# Altium PCB Gebru.PcbDoc (part 1 of 3) (continued)
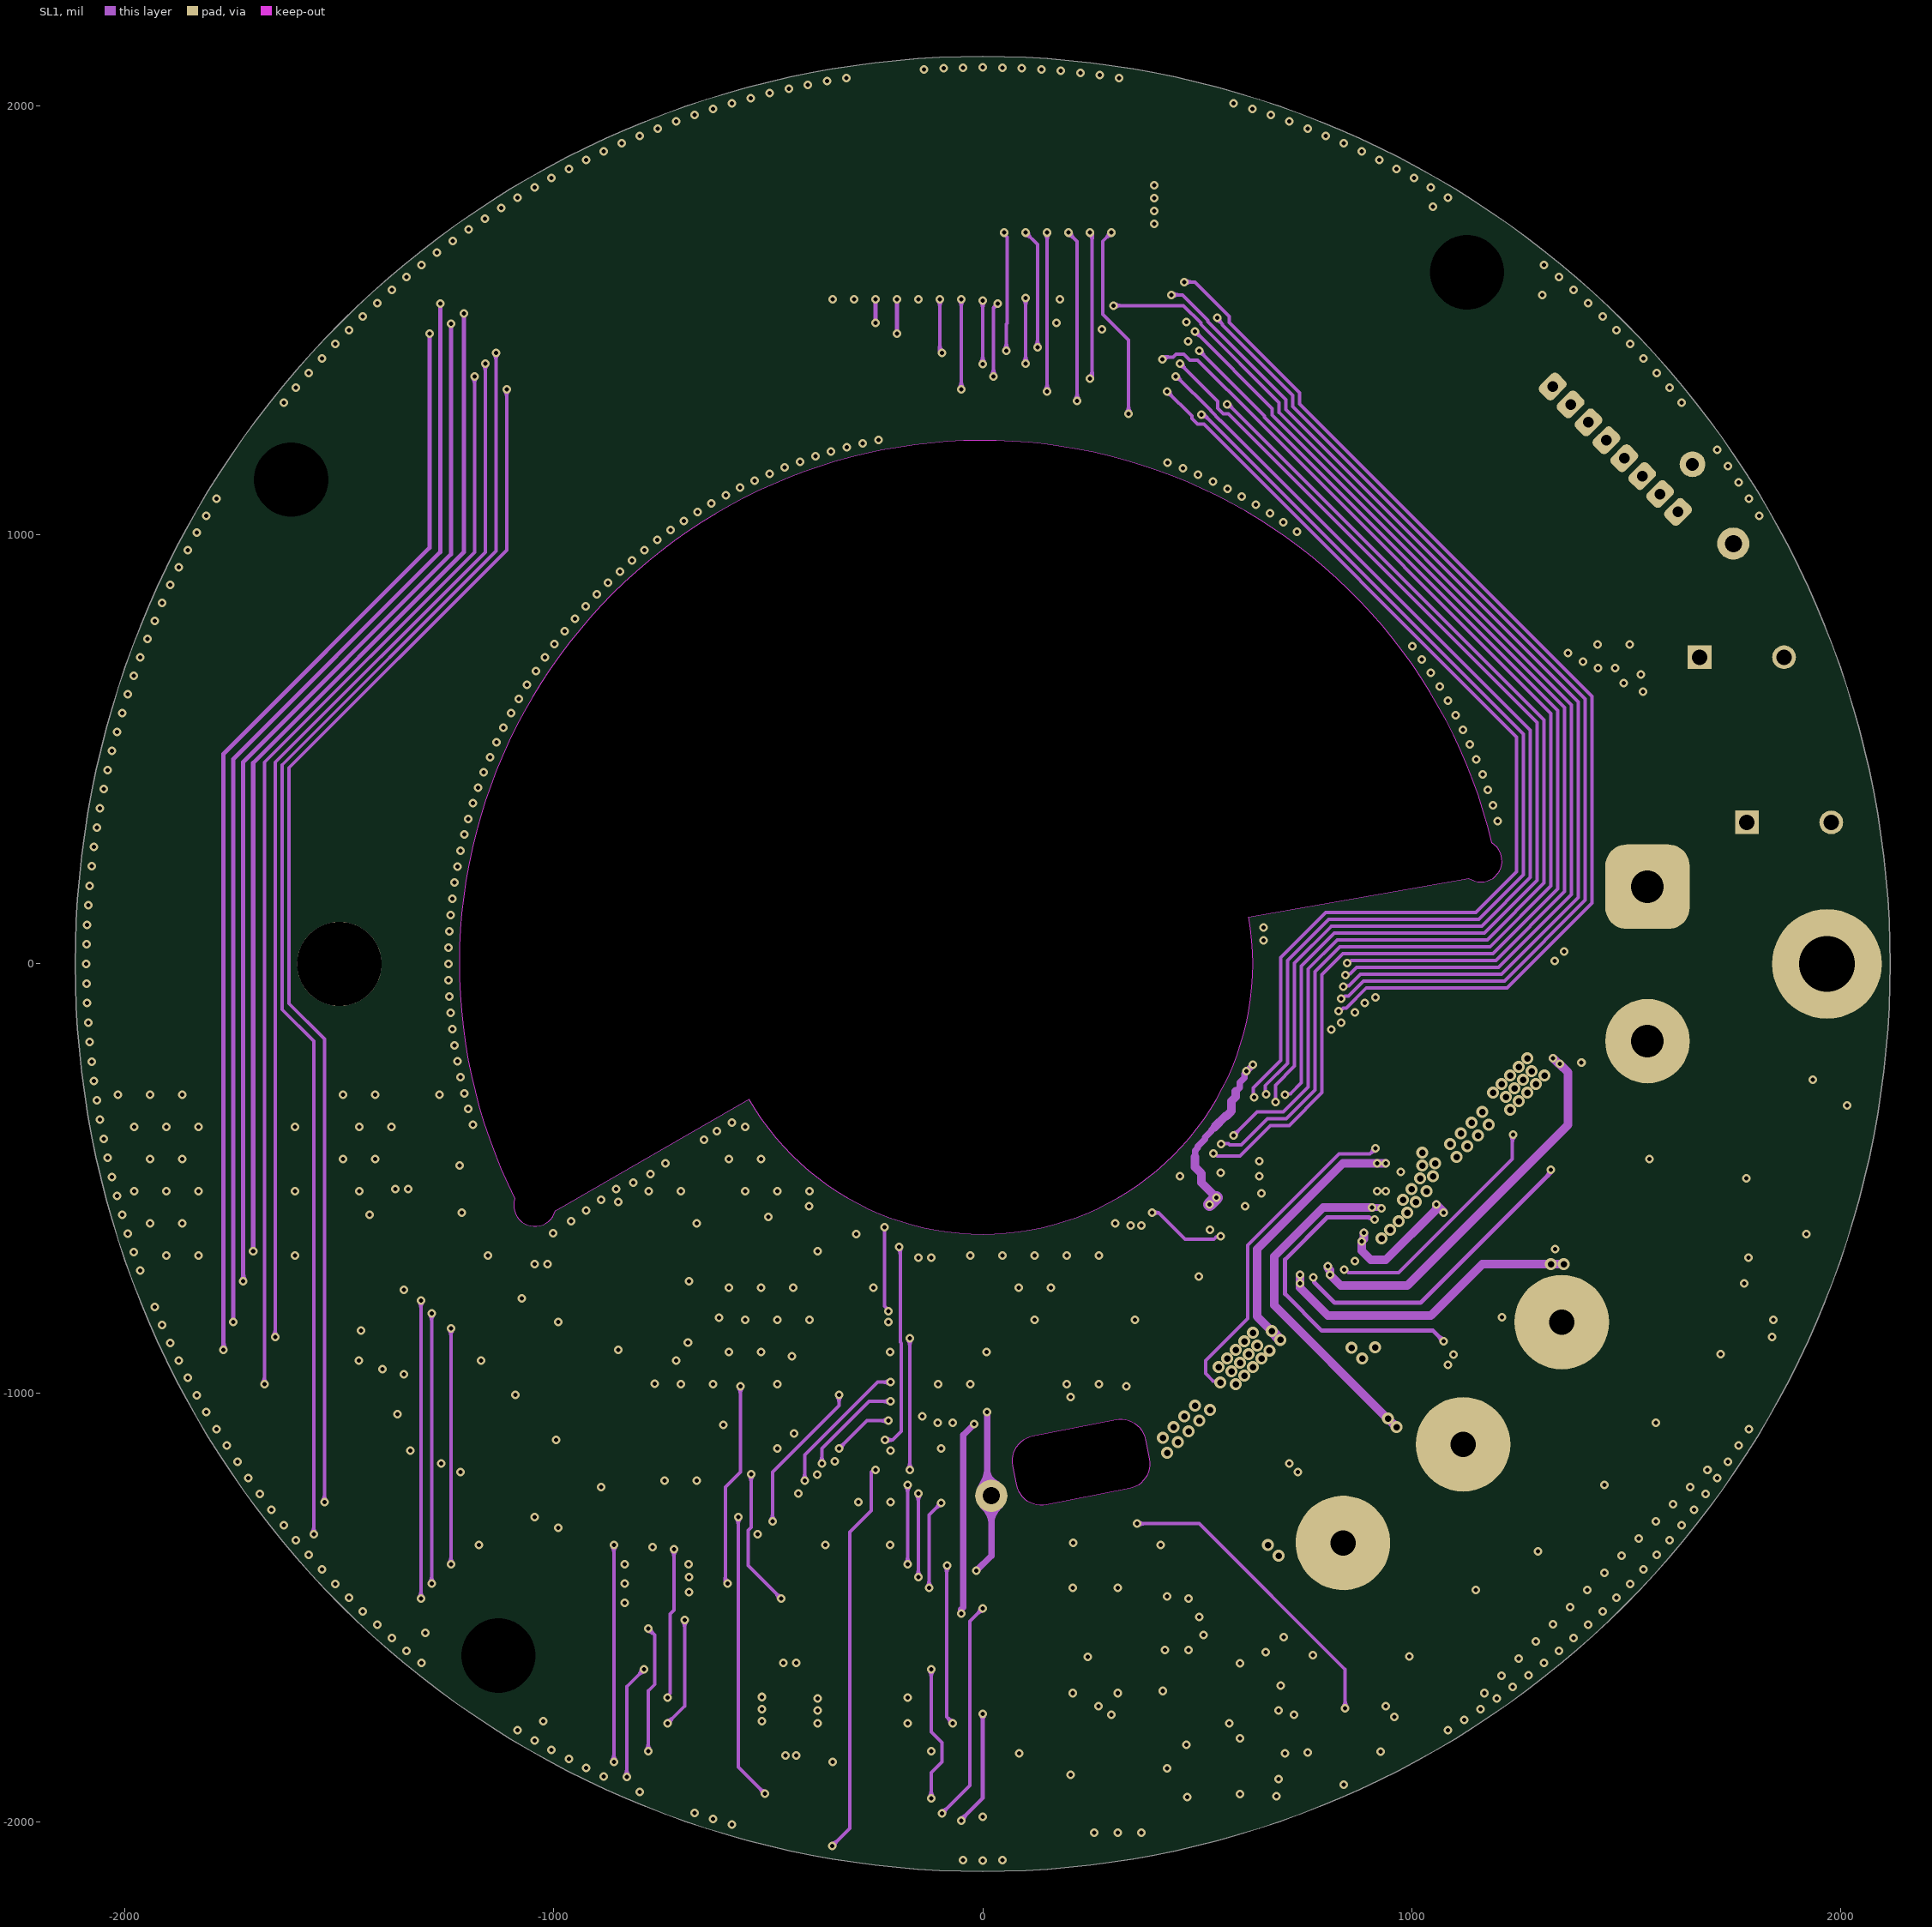
[diagram p3: SL1]
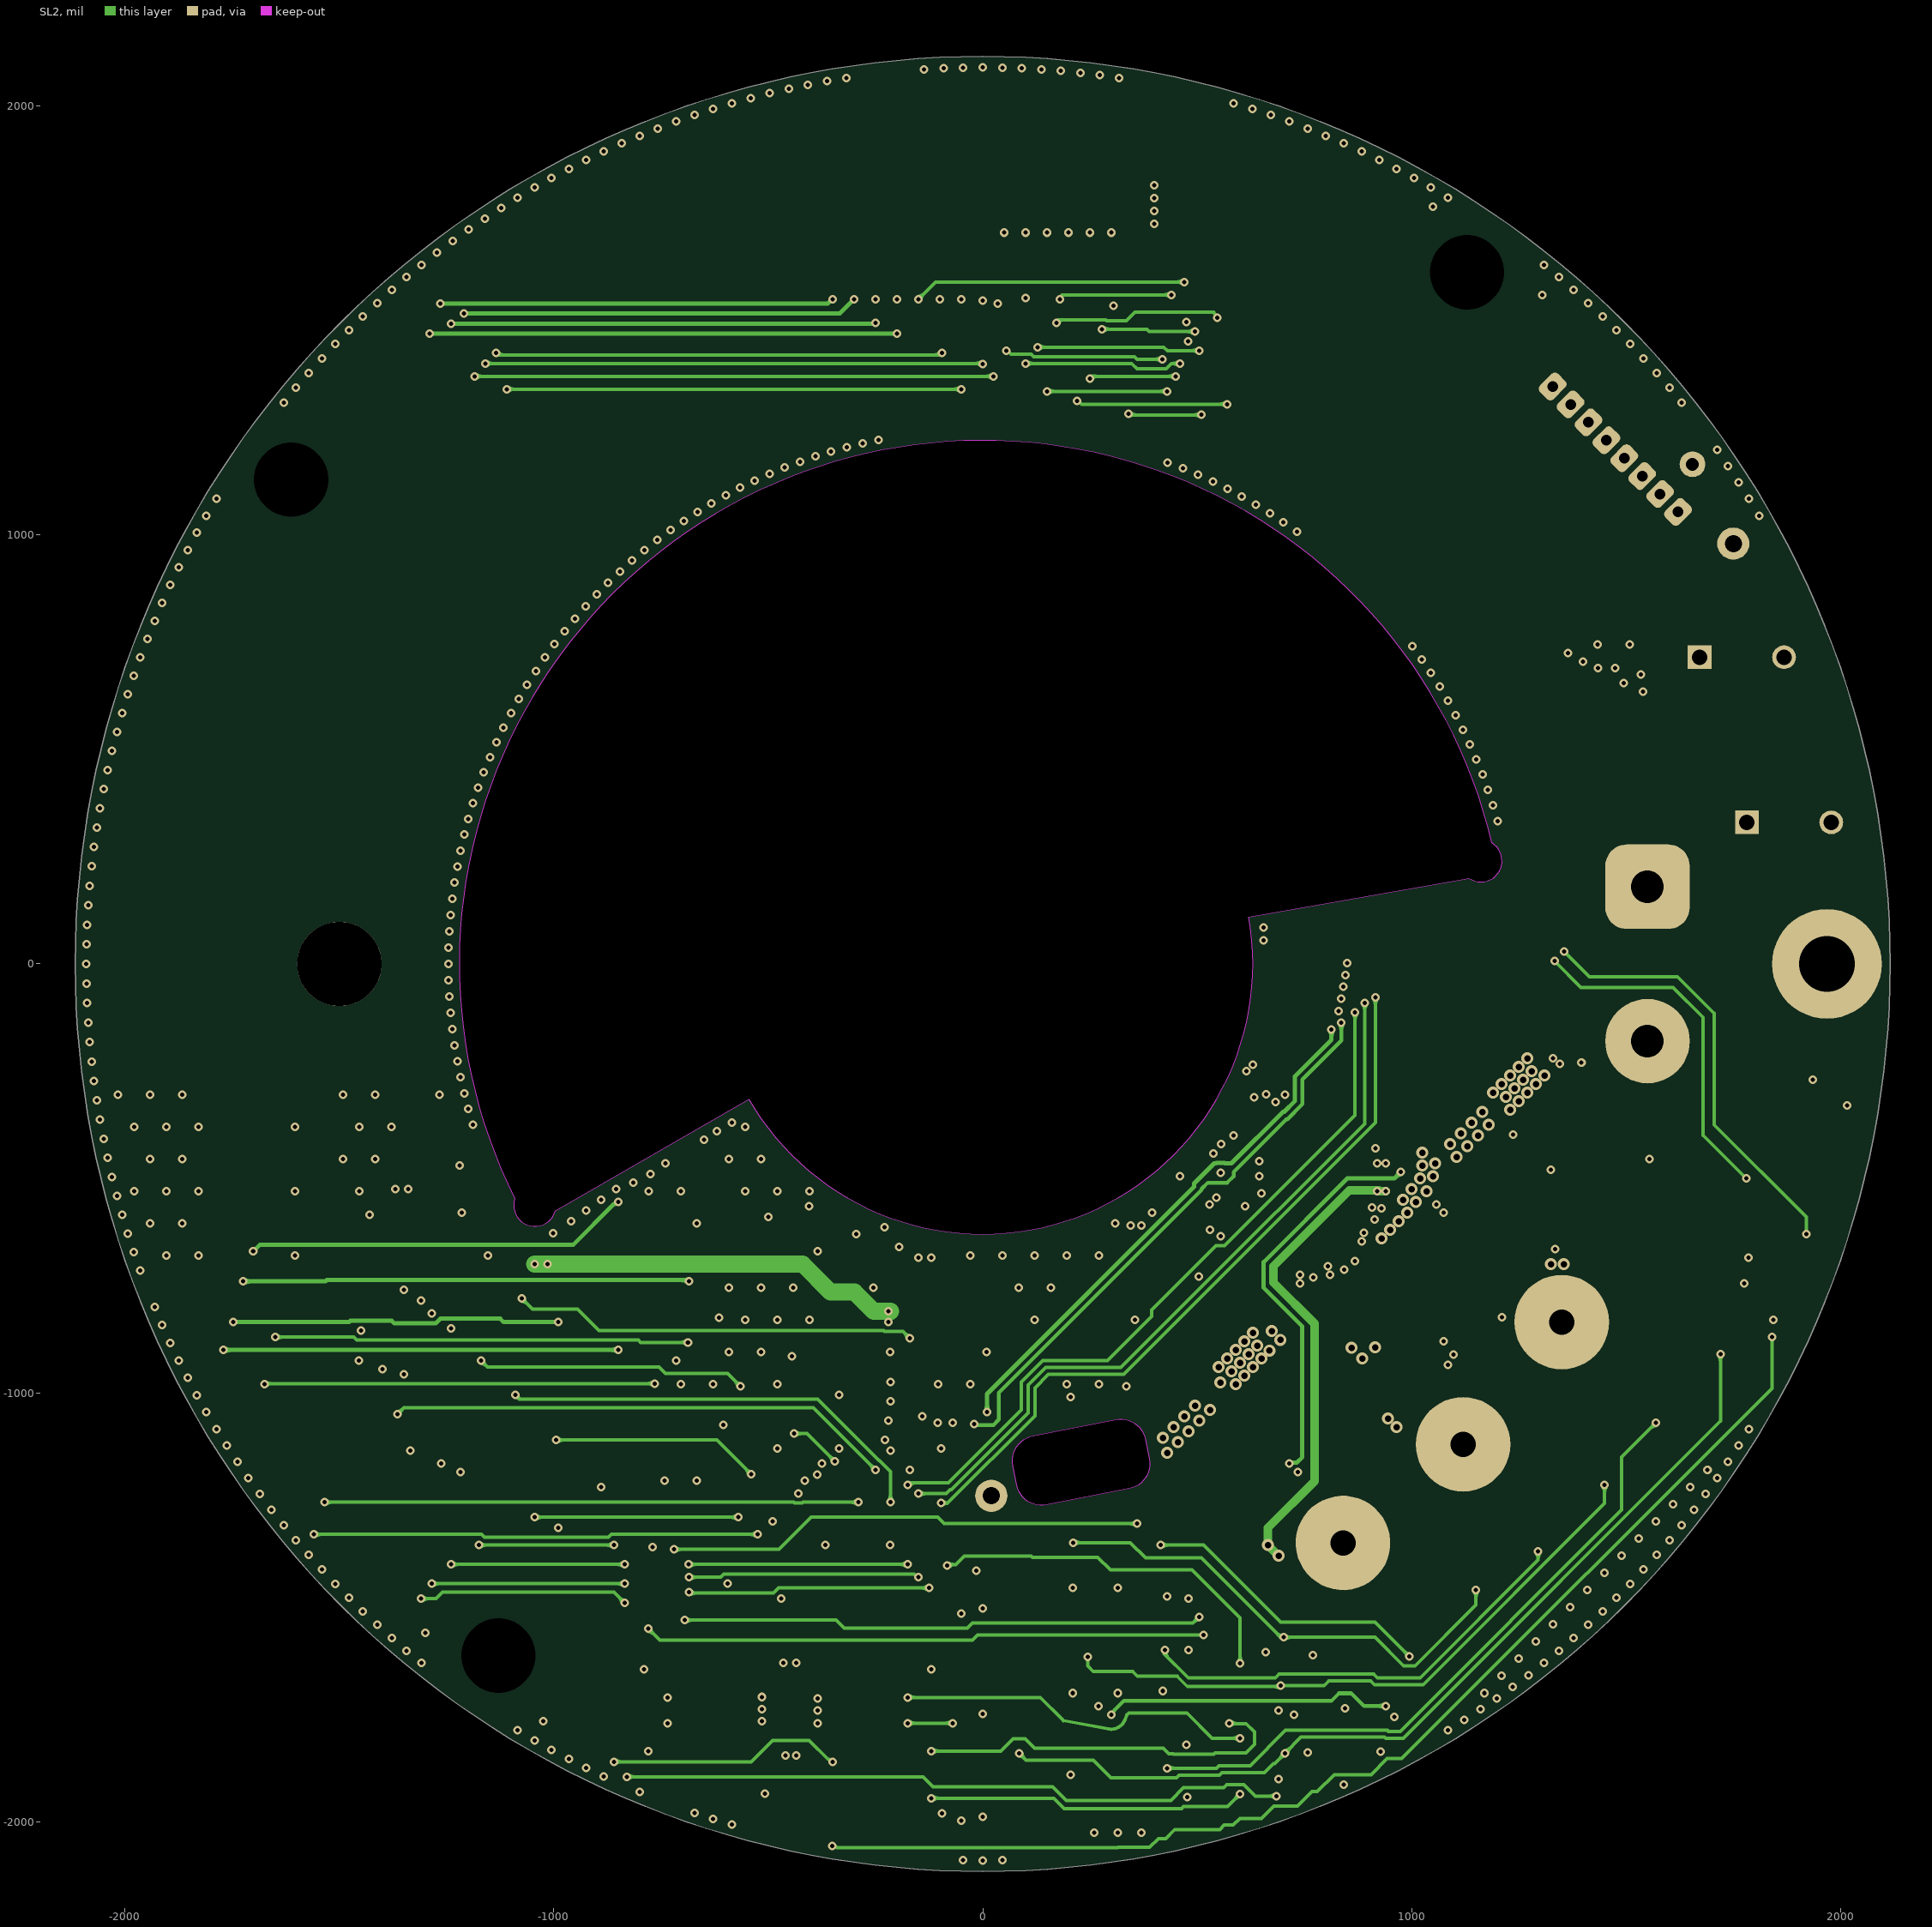
[diagram p4: SL2]
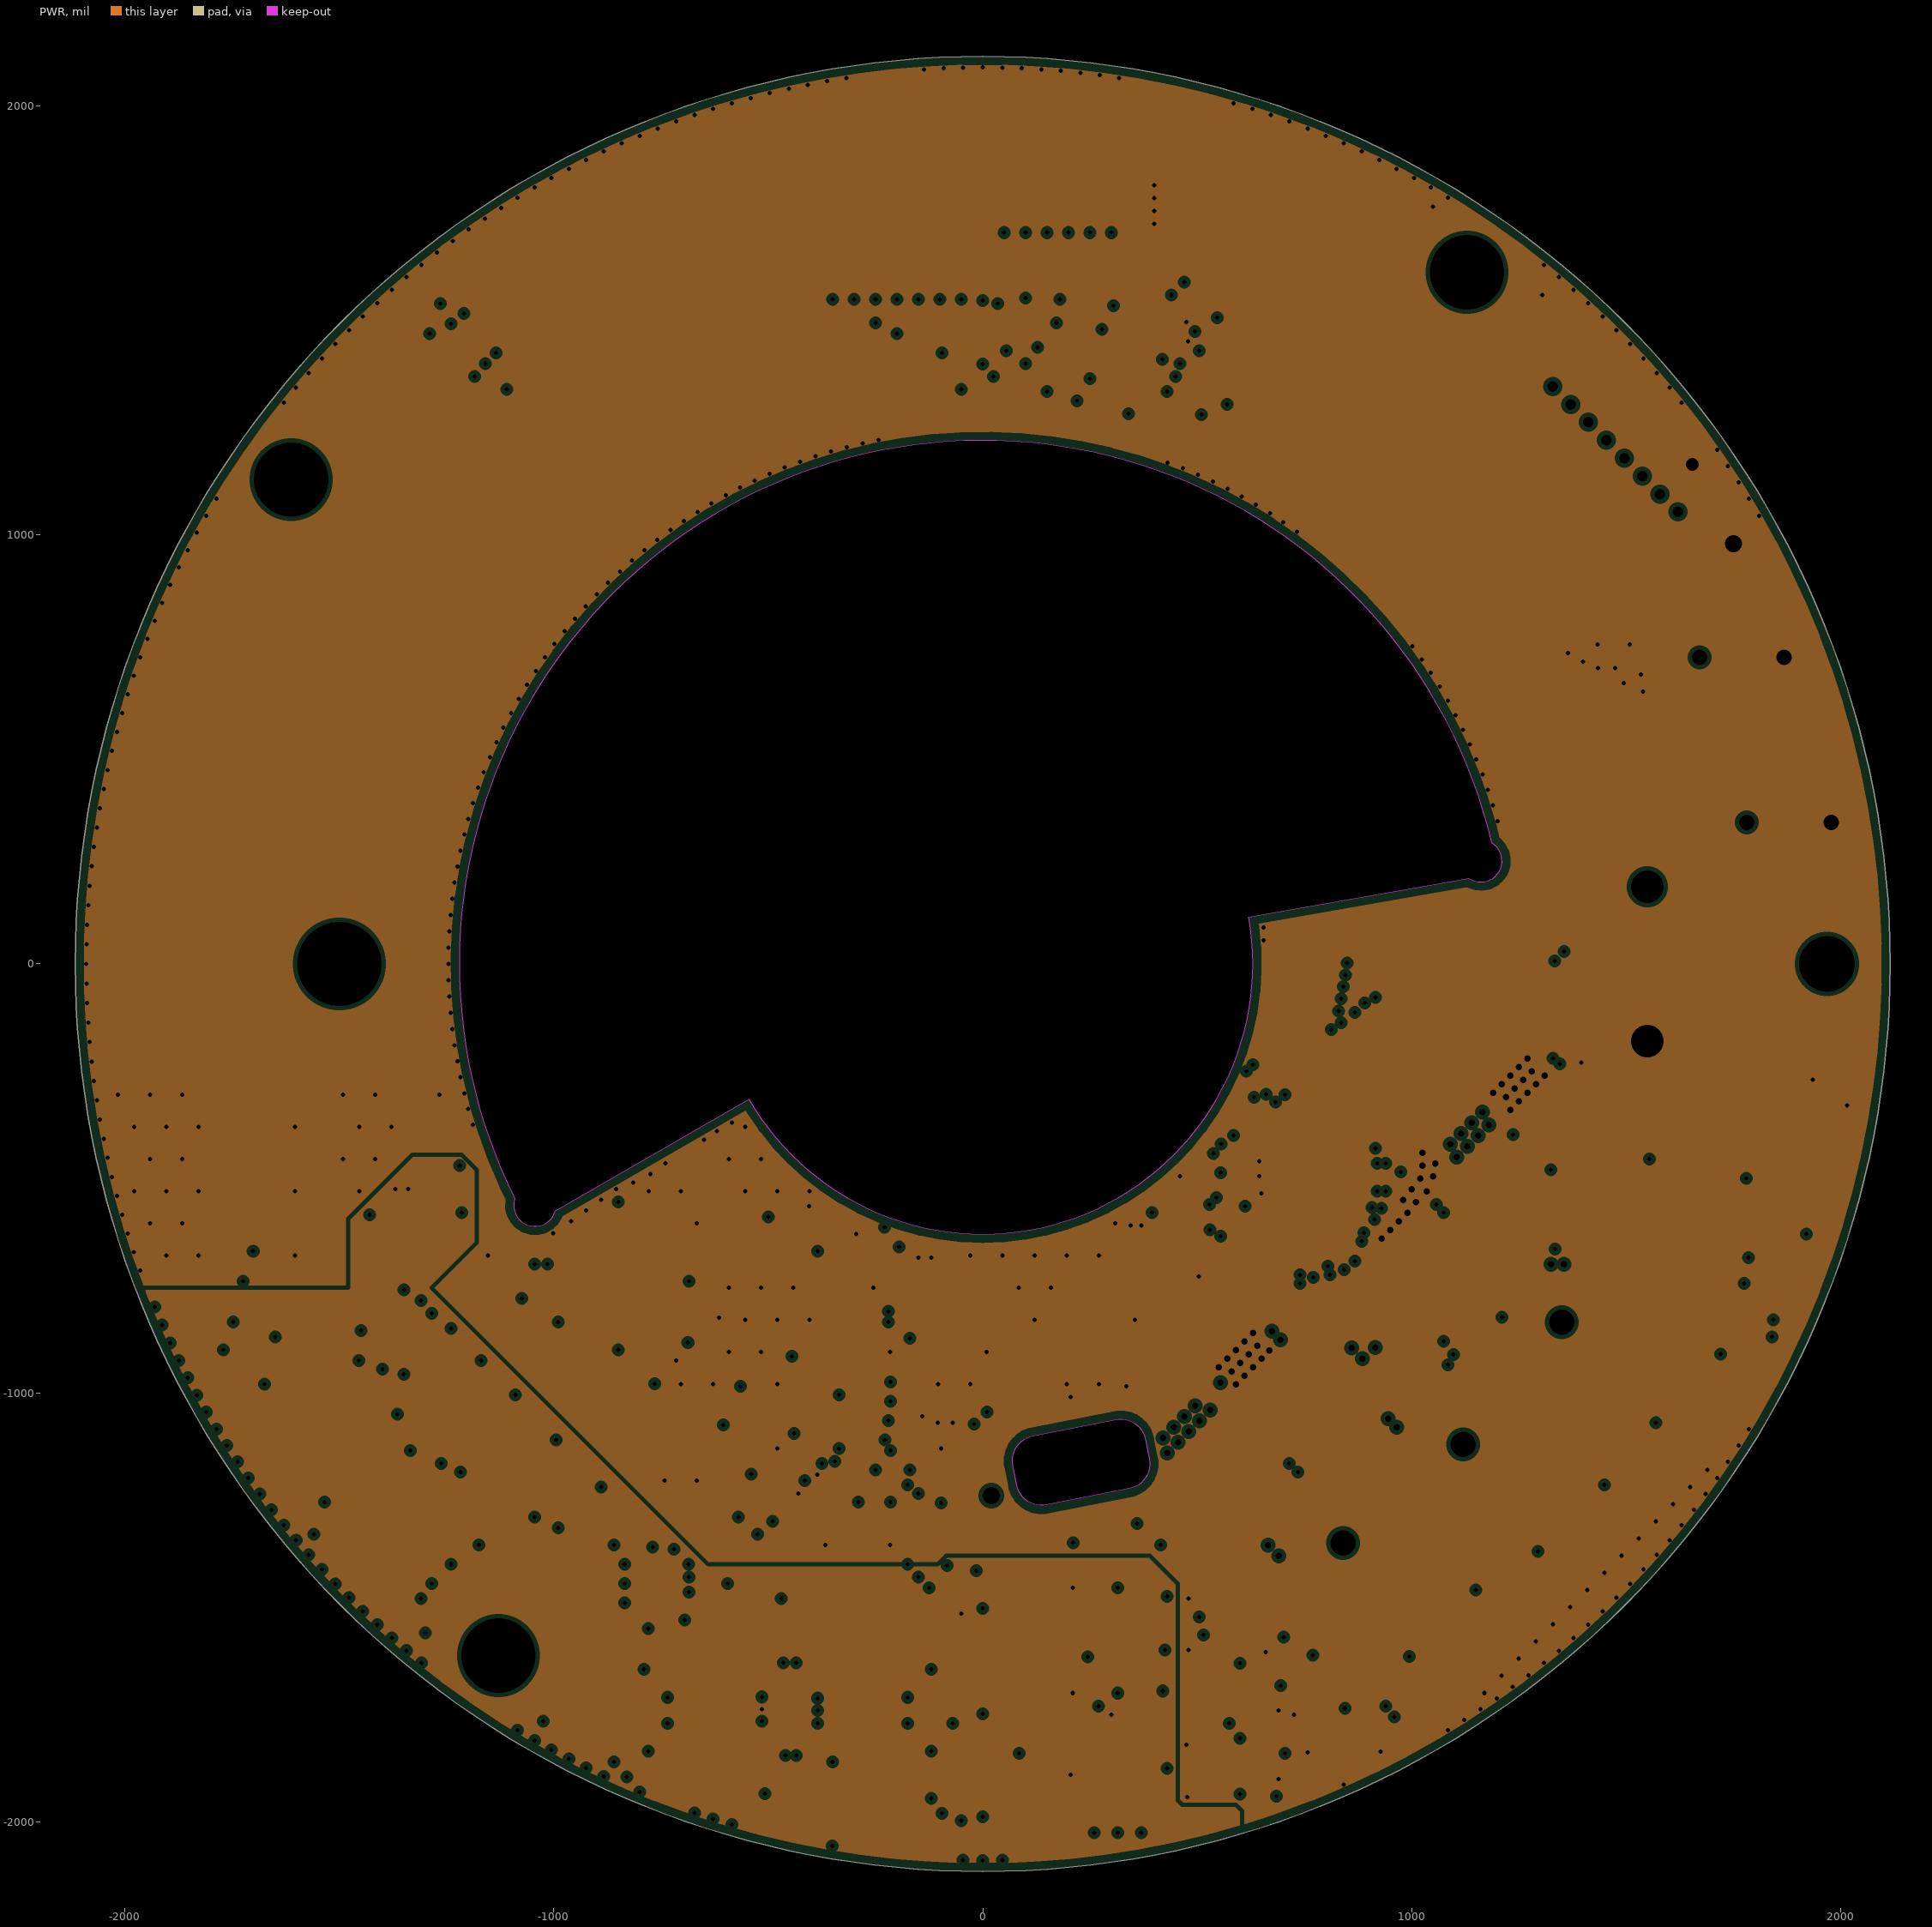
[diagram p5: PWR, clearances drawn from the general rule]
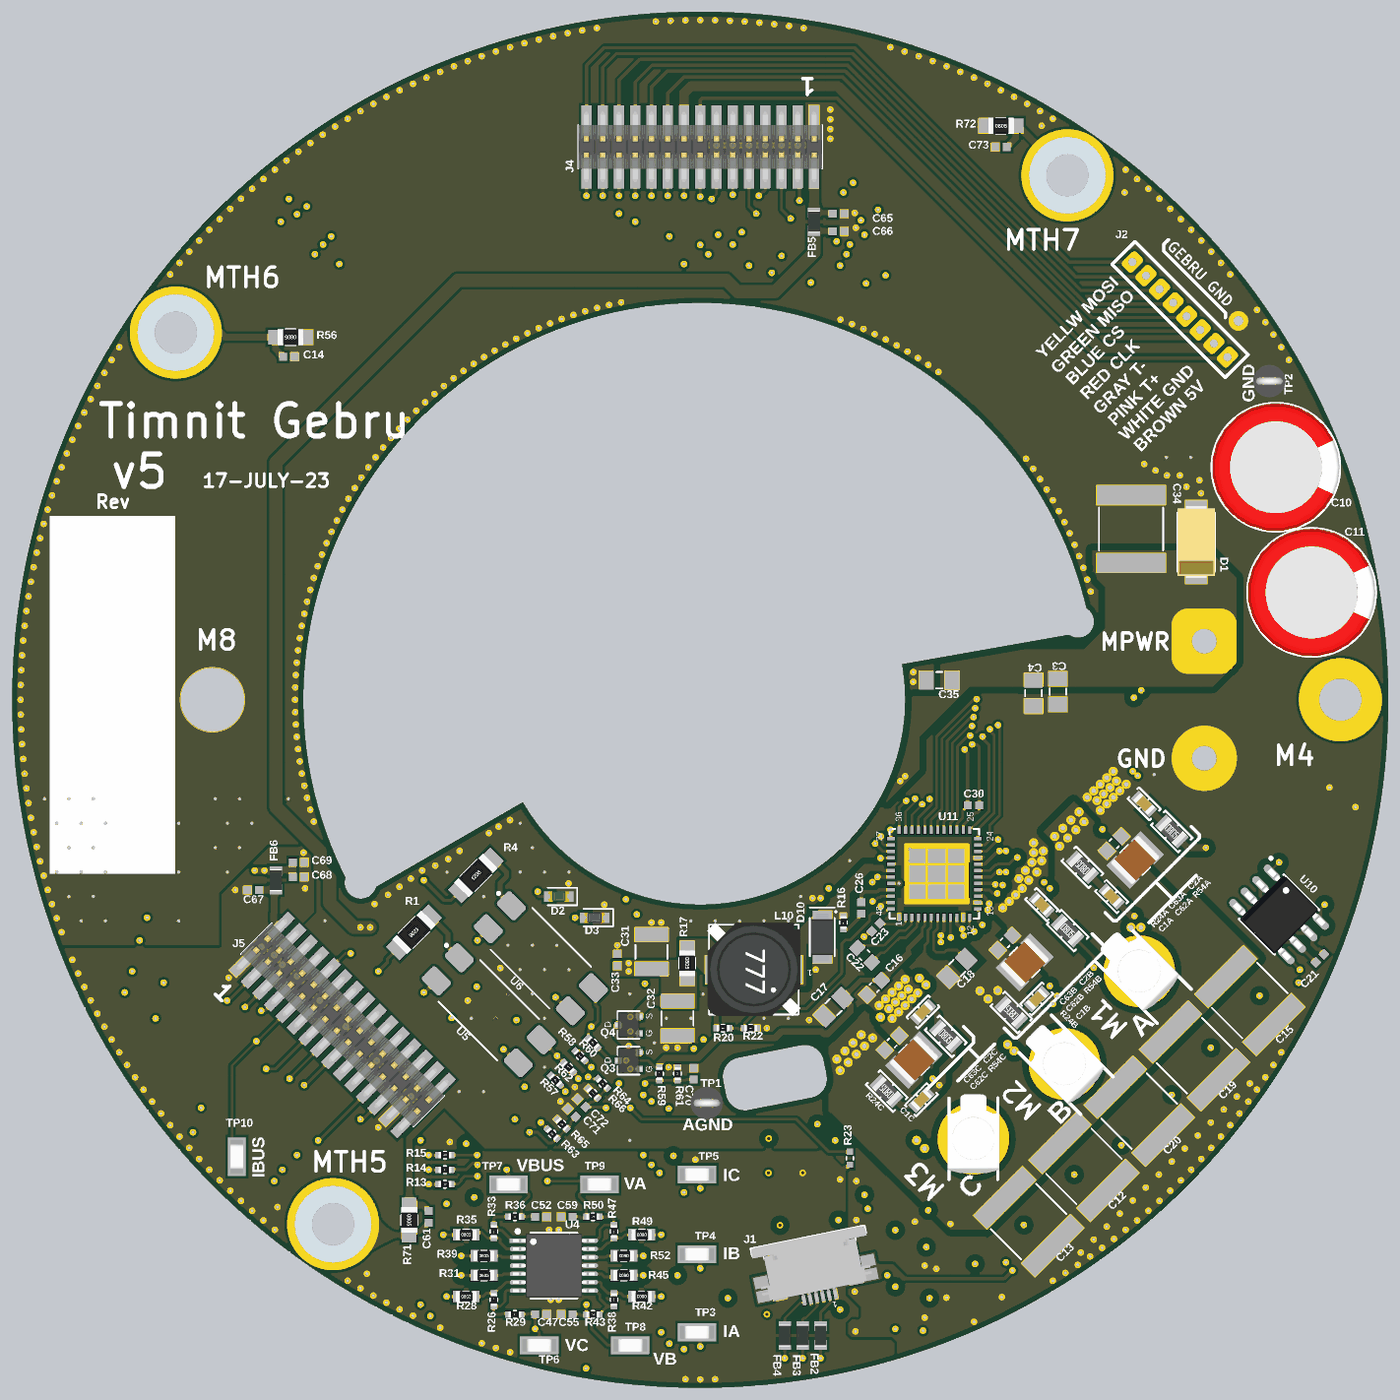
[diagram p8: 3D render of the assembled board from above, using the file's embedded part models]

## Layer stack, top to bottom
Top Solder: solder mask 1.7, Solder Resist, Dk 3.5
Top Layer: signal copper 4.1
Dielectric1: prepreg 5.5, 1080*2, Dk 4.04
GND: plane copper 1.4, net (Multiple Nets)
Dielectric2: core 14, Dk 4.04
SL1: signal copper 1.4
Dielectric4: core 5.2, 2113.2, Dk 4.04
SL2: signal copper 1.4
Dielectric6: core 14, Dk 4.04
PWR: plane copper 1.4, net (Multiple Nets)
Dielectric7: prepreg 5.5, 1080*2, Dk 4.04
Bottom Layer: signal copper 4.1
Bottom Solder: solder mask 1.7, Solder Resist, Dk 3.5

## Board outline
0,-2115.88 cw(c0,0) -2115.88,0 cw(c0,0) 0,2115.88 cw(c0,0) 2115.88,0 cw(c0,0)
cut-out: -1090.93,-547.2 ccw(c-1044.22,-562.7) -996.69,-575.44 -545.53,-314.96 ccw(c0,0) 620.35,109.38 1133.39,199.85 ccw(c1161.62,240.16) 1187.43,282.06 ccw(c0,0)
cut-out: 79.35,-1215.13 70.43,-1169.93 cw(c128.36,-1158.49) 116.93,-1100.55 310.05,-1062.43 cw(c321.49,-1120.37) 379.42,-1108.93 388.35,-1154.13 cw(c330.41,-1165.57) 341.85,-1223.51 148.72,-1261.63 cw(c137.29,-1203.69)

## Design rules (kind name [scope] priority, off if disabled: settings)
AcuteAngle [All] p1: minimum=6.00000000000000E+0001 checktracksonly=FALSE
AssemblyTestPointUsage [All] p1: allowmultiple=TRUE
AssemblyTestpoint "AssemblyTestpoint - Gorilla" [All] p1: testpointundercomponent=FALSE minsize=22 maxsize=100 preferedsize=60 minholesize=0 maxholesize=40 preferedholesize=32 testpointgrid=5 usegrid=FALSE gridoriginx=503.07 gridoriginy=502.85 gridtolerance=0.01 allowsidetop=TRUE allowsidebottom=TRUE minspacing=5
AssemblyTestpoint "AssemblyTestpoint - Whizz" [All] p2 off: testpointundercomponent=FALSE minsize=26 maxsize=100 preferedsize=60 minholesize=0 maxholesize=40 preferedholesize=32 testpointgrid=5 usegrid=FALSE gridoriginx=503.07 gridoriginy=502.85 gridtolerance=0.01 allowsidetop=TRUE allowsidebottom=TRUE minspacing=5
BoardOutlineClearance BoardOutlineClearance_Silk [OnBottomSilkscreen or OnTopSilkscreen] p1: gap=1 ignorepadtopadclearanceinfootprint=FALSE
BoardOutlineClearance [All] p2: gap=15 ignorepadtopadclearanceinfootprint=FALSE except(5: Text-OutlineEdge Text-CavityEdge Text-CutoutEdge Text-SplitBarrior Text-SplitContinuation; 14: Via-OutlineEdge Via-CavityEdge Via-CutoutEdge Via-SplitBarrior Via-SplitContinuation)
Clearance Clearance_1 [InComponent('J1') vs InComponent('J1')] p1: gap=0 ignorepadtopadclearanceinfootprint=TRUE
Clearance diff100 [InNetClass('Diff100Ohm')] p2: gap=6 ignorepadtopadclearanceinfootprint=TRUE
Clearance PHASEA [InNet('PHASEA') OR InNet('PHASEA_OUT') OR InNet('GHA') vs InNet('PHASEA') OR InNet('PHASEA_OUT') OR InNet('GHA')] p3: gap=8 ignorepadtopadclearanceinfootprint=FALSE
Clearance PHASEB [InNet('PHASEB') OR InNet('PHASEB_OUT') OR InNet('GHB') vs InNet('PHASEB') OR InNet('PHASEB_OUT') OR InNet('GHB')] p4: gap=8 ignorepadtopadclearanceinfootprint=FALSE
Clearance PHASEC [InNet('PHASEC') OR InNet('PHASEC_OUT') OR InNet('GHC') vs InNet('PHASEC') OR InNet('PHASEC_OUT') OR InNet('GHC')] p5: gap=8 ignorepadtopadclearanceinfootprint=FALSE
Clearance HV_EXCEPTION [WithinRoom('GateDriver') AND (InNetClass('HV') OR InNetClass('HVSW')) AND OnTopLayer] p6: gap=9 ignorepadtopadclearanceinfootprint=TRUE except(20: Arc-Region Track-Region SMDPad-Region THPad-Region Via-Region Fill-Region Poly-Region Region-Region)
Clearance HVSW [InNetClass('HVSW')] p7: gap=20 ignorepadtopadclearanceinfootprint=TRUE
Clearance HV [InNetClass('HV') vs NOT InNetClass('HV')] p8: gap=20 ignorepadtopadclearanceinfootprint=TRUE
Clearance [All] p9: gap=8 ignorepadtopadclearanceinfootprint=TRUE
ComponentClearance NT [IsNetTieComponent] p1: gap=0 collisioncheckmode=3 verticalgap=0 showdistances=FALSE
ComponentClearance Holes [InComponent('M1') OR InComponent('M2') OR InComponent('M3') OR InComponent('M4') OR InComponent('M5') OR InComponent('M6') OR InComponent('M7') OR InComponent('M8') OR InComponent('C10') OR InComponent('C11')] p2: gap=10 collisioncheckmode=3 verticalgap=-1 showdistances=FALSE
ComponentClearance [All] p3: gap=10 collisioncheckmode=3 verticalgap=10 showdistances=FALSE
DiffPairsRouting 100OhmDiffPairsRouting [InDifferentialPairClass('100Ohm')] p1: maxlimit=8 minlimit=8 mostfreqgap=8 toplayer_minwidth=4.75 toplayer_maxwidth=15.9 toplayer_prefwidth=15.9 midlayer1_minwidth=4.75 midlayer1_maxwidth=15.9 midlayer1_prefwidth=15.9 midlayer2_minwidth=4.75 midlayer2_maxwidth=15.9 midlayer2_prefwidth=15.9 bottomlayer_minwidth=4.75 bottomlayer_maxwidth=15.9 bottomlayer_prefwidth=15.9 maxuncoupledlength=500
FabricationTestPointUsage [All] p1: valid=0 allowmultiple=TRUE
FabricationTestpoint [All] p1: side=3 testpointundercomponent=TRUE minsize=5 maxsize=100 preferedsize=60 minholesize=0 maxholesize=40 preferedholesize=32 testpointgrid=5 allowsidetop=TRUE allowsidebottom=TRUE usegrid=FALSE gridoriginx=503.07 gridoriginy=502.85 gridtolerance=0.01
FanoutControl Fanout_Small [(CompPinCount < 5)] p4: bgadir=Out bgaviamode=Centered fanoutstyle=Auto fanoutdirection=OutOnly viagrid=1 // Fanout_Small (Default Rule)
Height [All] p1: minheight=0 maxheight=3000 prefheight=500
HoleSize [All] p1: absolutevalues=TRUE maxlimit=500 minlimit=8 maxpercent=80.000 minpercent=20.000
MatchedLengths MatchLengths_xSignals_ECAT [InxSignalClass('xSignals_ECAT_MatchLengthsClass')] p1: tolerance=50 checknetsindiffpair=FALSE checkdiffpairvsdiffpair=TRUE checkxsignals=TRUE checkothers=TRUE
MatchedLengths MatchLengths_xSignals_SPI_J1_U10 [InxSignalClass('xSignals_SPI_J1_U10_MatchLengthsClass')] p2: tolerance=50 checknetsindiffpair=FALSE checkdiffpairvsdiffpair=TRUE checkxsignals=TRUE checkothers=TRUE
MatchedLengths MatchLengths_xSignals_U112_J101,J102 [InxSignalClass('xSignals_U112_J101,J102_MatchLengthsClass')] p3: tolerance=50 checknetsindiffpair=FALSE checkdiffpairvsdiffpair=TRUE checkxsignals=TRUE checkothers=TRUE
MatchedLengths [All] p4: tolerance=100 checknetsindiffpair=TRUE checkdiffpairvsdiffpair=FALSE checkxsignals=FALSE checkothers=FALSE